# Altium PCB RF.PcbDoc (part 1 of 5) (continued)
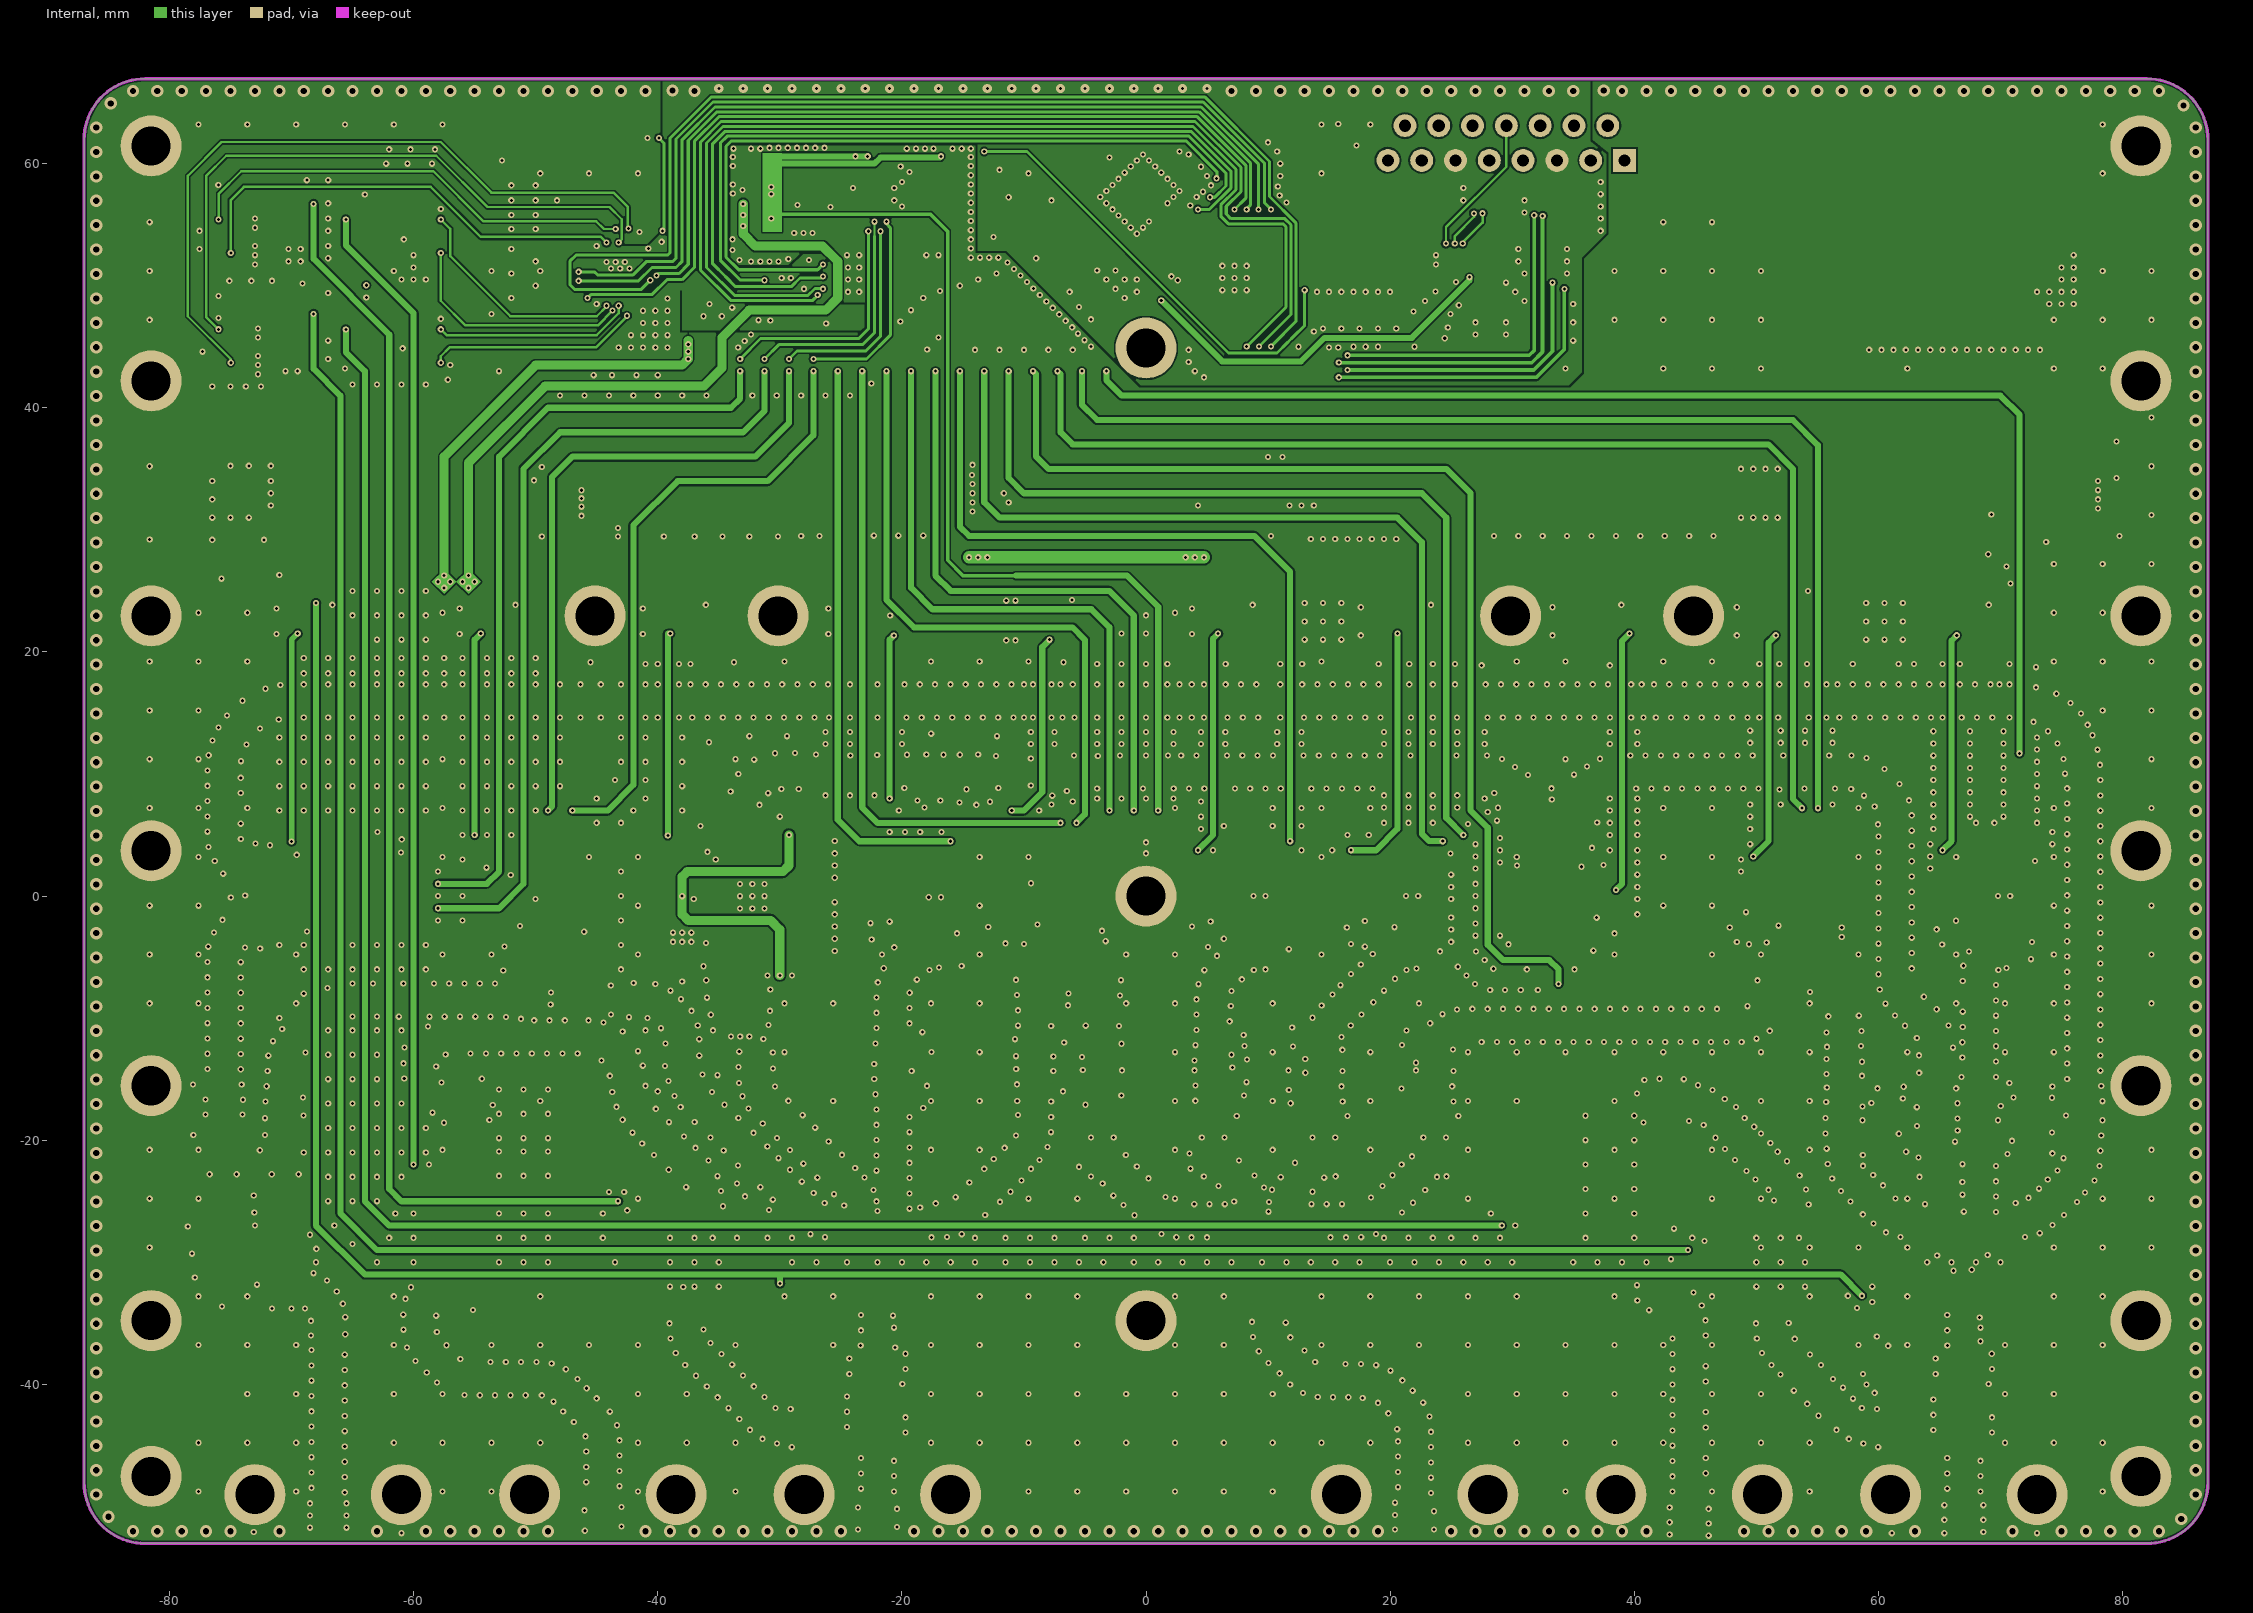
[diagram p3: Internal]
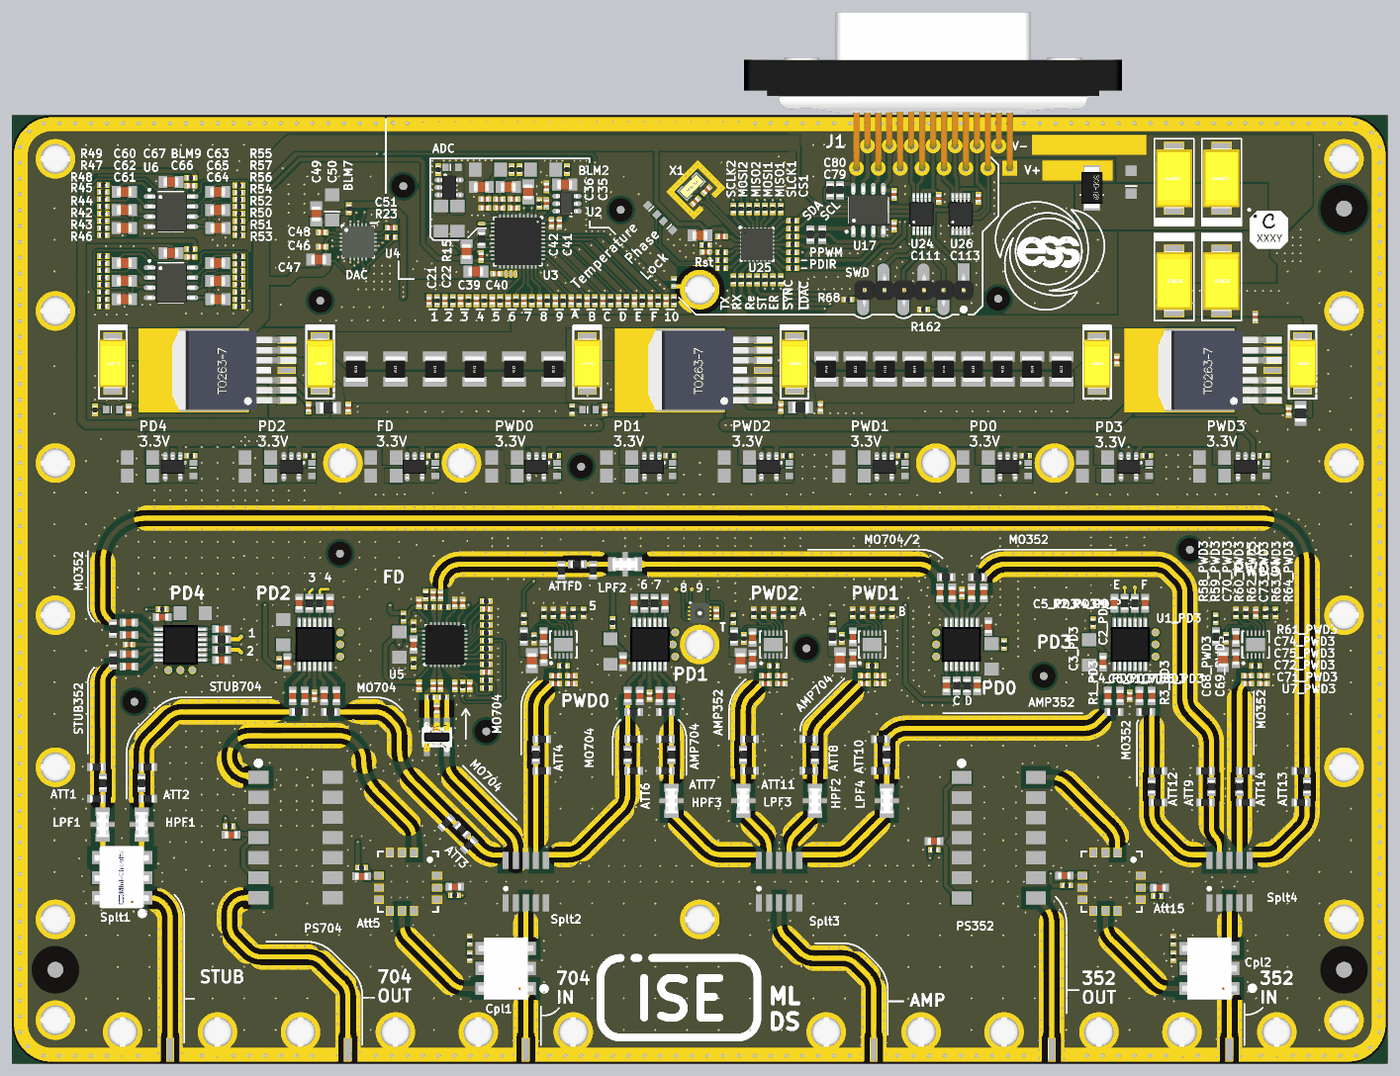
[diagram p8: 3D render of the assembled board from above, using the file's embedded part models]

## Layer stack, top to bottom
Top Solder: solder mask 0.0254, SM-001, Dk 1
Top: signal copper 0.035
PrepregTop1: prepreg 0.178, PR2116, Dk 4.51
PrepregTop2: prepreg 0.178, PR2116, Dk 4.51
REF1: plane copper 0.035, net DGND
Core: core 0.36, FR4-Improved, Dk 4.3
Internal: signal copper 0.035
PrepregBottom1: prepreg 0.178, PR2116, Dk 4.51
PrepregBottom2: prepreg 0.178, PR2116, Dk 4.51
REF2: signal copper 0.035
Bottom Solder: solder mask 0.0254, SM-001, Dk 4

## Board outline
-82,-53.04 cw(c-82,-48.04) -87,-48.04 -86.996,-48.036 -86.996,61.96 -87,61.96 cw(c-82,61.96) -82,66.96 82,66.96 cw(c82,61.96) 87,61.96 87,-48.04 cw(c82,-48.04) 82,-53.04

## Design rules (kind name [scope] priority, off if disabled: settings)
BoardOutlineClearance [All] p1: gap=0.25 ignorepadtopadclearanceinfootprint=FALSE except(0: Arc-SplitContinuation Track-SplitContinuation SMDPad-SplitContinuation THPad-SplitContinuation Via-SplitContinuation Fill-SplitContinuation Poly-SplitContinuation Region-SplitContinuation Text-SplitContinuation)
Clearance "Clearance RF TRACK" [InNetClass('RF')   And ( IsArc  Or IsTrack or IsRegion or IsFill ) vs InPolygon] p1: gap=0.7 ignorepadtopadclearanceinfootprint=FALSE
Clearance "Clearance RF PAD" [InNetClass('RF')   And (IsPad ) vs InPolygon] p2: gap=0.625 ignorepadtopadclearanceinfootprint=FALSE
Clearance "Clearance RF POLY" [InNamedPolygon('TOP-REF') vs OnLayer('Top')] p3 off: gap=0.3 ignorepadtopadclearanceinfootprint=FALSE
Clearance "Clearance TOP" [OnLayer('Top') vs OnLayer('Top')] p4: gap=0.1 ignorepadtopadclearanceinfootprint=FALSE except(0: Arc-Hole Track-Hole SMDPad-Hole THPad-Hole Via-Hole Fill-Hole Poly-Hole Region-Hole Text-Hole; 0.2: Arc-Poly Track-Poly SMDPad-Poly THPad-Poly Via-Poly Fill-Poly Poly-Poly)
Clearance "Clearance REF1" [OnLayer('REF1') vs OnLayer('REF1')] p5: gap=0.3 ignorepadtopadclearanceinfootprint=FALSE
Clearance "Clearance INT" [OnLayer('Internal') vs OnLayer('Internal')] p6: gap=0.15 ignorepadtopadclearanceinfootprint=FALSE
Clearance "Clearance INT_1" [OnLayer('Internal')] p7: gap=0.15 ignorepadtopadclearanceinfootprint=FALSE
Clearance "Clearance REF2" [OnLayer('REF2')] p8: gap=0.5 ignorepadtopadclearanceinfootprint=FALSE
Clearance [All] p9: gap=0.1 ignorepadtopadclearanceinfootprint=FALSE
ComponentClearance [All] p1: gap=0.25 collisioncheckmode=3 verticalgap=0.25 showdistances=FALSE
DiffPairsRouting [All] p1: maxlimit=0.25 minlimit=0.25 mostfreqgap=0.25 toplayer_minwidth=0.381 toplayer_maxwidth=0.381 toplayer_prefwidth=0.381 midlayer2_minwidth=0.381 midlayer2_maxwidth=0.381 midlayer2_prefwidth=0.381 bottomlayer_minwidth=0.381 bottomlayer_maxwidth=0.381 bottomlayer_prefwidth=0.381 maxuncoupledlength=12.5
Height [All] p1: minheight=0 maxheight=25 prefheight=12.5
HoleSize HoleSize-PTH [All] p1: absolutevalues=TRUE maxlimit=5 minlimit=0.15 maxpercent=80.000 minpercent=20.000
HoleToHoleClearance [All] p1: gap=0.35 allowstackedmicrovias=TRUE
MinimumAnnularRing "Minimum IAR  <= 0.45mm" [((ObjectKind = 'Pad') OR (ObjectKind = 'Via')) And (Layer = 'MultiLayer') And (HoleDiameter <= AsMM(0.45))] p1: minimumring=0.125 // minimum inner annular ring for pads <= 0.45mm finished hole size
MinimumAnnularRing "Minimum IAR  > 0.45mm" [((ObjectKind = 'Pad') OR (ObjectKind = 'Via')) And (Layer = 'MultiLayer') And (HoleDiameter > AsMM(0.45))] p2: minimumring=0.125 // minimum inner annular ring for pads > 0.45mm finished hole size
MinimumAnnularRing Minimum-IAR [All] p3: minimumring=0.125
MinimumSolderMaskSliver [All] p1: minsoldermaskwidth=0.08
PlaneClearance PlaneClearance-IPI [All] p1: clearance=0.25
PlaneConnect [All] p1: planeconnectstyle=Direct reliefexpansion=0.175 reliefentries=4 reliefconductorwidth=0.2 reliefairgap=0.2
PolygonConnect PolygonConnect-xTW [All] p1: connectstyle=Direct reliefconductorwidth=0.2 reliefentries=4 polygonreliefangle="90 Angle" airgapwidth=0.2
RoutingCorners [All] p1: cornerstyle=45-Degree minsetback=2.5 maxsetback=2.5
RoutingVias "RoutingVias <= 0.45mm" [(ObjectKind = 'Via') And (HoleDiameter <= AsMM(0.45))] p1: holewidth=0.2 width=0.55 viastyle="Through Hole" minholewidth=0.15 minwidth=0.5 maxholewidth=0.45 maxwidth=0.8
RoutingVias "RoutingVias > 0.45mm" [(ObjectKind = 'Via') And (HoleDiameter > AsMM(0.45))] p2: holewidth=0.5 width=0.85 viastyle="Through Hole" minholewidth=0.5 minwidth=0.85 maxholewidth=0.9 maxwidth=1.25
SilkToSilkClearance [All] p1: silktosilkclearance=0.2
SilkToSolderMaskClearance SilkscreenOverComponentPads [IsPad] p1: minsilkscreentomaskgap=0.005 clearancetoexposedcopper=TRUE
SolderMaskExpansion [All] p1: expansion=0
Width Width-xTW [All] p1: maxlimit=10 minlimit=0.1 preferedwidth=0.2
19 further rules are at their usual default settings.

## Classes and differential pairs
net class RF: AMP352_5 AMP704_5 MO352_1_5 MO352_2_5 MO352_3_5 MO704/2_5 MO704_5 NetAtt5_1 NetAtt5_8 NetAtt15_1 NetAtt15_8 NetC4_PD2_2 NetC4_PD4_2 NetC8_PD2_1 NetC8_PD2_2 NetC8_PD4_2 NetC71_PWD0_1 NetC71_PWD1_1 NetC71_PWD2_1 NetC71_PWD3_1 NetC118_1 NetC118_2 NetC119_1 NetC119_2 NetC121_1 NetC121_2 NetC125_2 NetCpl1_1 NetCpl1_3 NetCpl2_1 NetCpl2_3 NetHPF1_1 NetHPF1_3 NetHPF2_1 NetHPF2_3 NetHPF3_1 NetHPF3_3 NetLPF1_1 NetLPF1_3 NetLPF2_1 NetLPF3_1 NetLPF3_3 NetLPF4_1 NetLPF4_3 NetPS352_8 NetPS704_7 NetR120_2 NetR123_2 NetR126_2 NetR136_1 NetR139_1 NetR145_1 NetR150_2 NetSMA1_0 NetSMA4_0 NetSplt2_9 STUB352_5 STUB704_5
component class OffsetAmp704: BLM9_OffsetAmp704 C60_OffsetAmp704 C61_OffsetAmp704 C62_OffsetAmp704 C63_OffsetAmp704 C64_OffsetAmp704 C65_OffsetAmp704 C66_OffsetAmp704 C67_OffsetAmp704 R42_OffsetAmp704 R43_OffsetAmp704 R44_OffsetAmp704 R45_OffsetAmp704 R46_OffsetAmp704 R47_OffsetAmp704 R48_OffsetAmp704 R49_OffsetAmp704 R50_OffsetAmp704 R51_OffsetAmp704 R52_OffsetAmp704 R53_OffsetAmp704 R54_OffsetAmp704 R55_OffsetAmp704 R56_OffsetAmp704 R57_OffsetAmp704 U6_OffsetAmp704
component class OffsetAmp352: BLM9_OffsetAmp352 C60_OffsetAmp352 C61_OffsetAmp352 C62_OffsetAmp352 C63_OffsetAmp352 C64_OffsetAmp352 C65_OffsetAmp352 C66_OffsetAmp352 C67_OffsetAmp352 R42_OffsetAmp352 R43_OffsetAmp352 R44_OffsetAmp352 R45_OffsetAmp352 R46_OffsetAmp352 R47_OffsetAmp352 R48_OffsetAmp352 R49_OffsetAmp352 R50_OffsetAmp352 R51_OffsetAmp352 R52_OffsetAmp352 R53_OffsetAmp352 R54_OffsetAmp352 R55_OffsetAmp352 R56_OffsetAmp352 R57_OffsetAmp352 U6_OffsetAmp352
component class A3.3V_PhD5: C81_A3.3V_PhD5 C82_A3.3V_PhD5 LED1_A3.3V_PhD5 R70_A3.3V_PhD5 U18_A3.3V_PhD5
component class A3.3V_PhD4: C81_A3.3V_PhD4 C82_A3.3V_PhD4 LED1_A3.3V_PhD4 R70_A3.3V_PhD4 U18_A3.3V_PhD4
component class A3.3V_PhD3: C81_A3.3V_PhD3 C82_A3.3V_PhD3 LED1_A3.3V_PhD3 R70_A3.3V_PhD3 U18_A3.3V_PhD3
component class A3.3V_PhD2: C81_A3.3V_PhD2 C82_A3.3V_PhD2 LED1_A3.3V_PhD2 R70_A3.3V_PhD2 U18_A3.3V_PhD2
component class A3.3V_PhD1: C81_A3.3V_PhD1 C82_A3.3V_PhD1 LED1_A3.3V_PhD1 R70_A3.3V_PhD1 U18_A3.3V_PhD1
component class A3.3V_PD4: C81_A3.3V_PD4 C82_A3.3V_PD4 LED1_A3.3V_PD4 R70_A3.3V_PD4 U18_A3.3V_PD4
component class A3.3V_PD3: C81_A3.3V_PD3 C82_A3.3V_PD3 LED1_A3.3V_PD3 R70_A3.3V_PD3 U18_A3.3V_PD3
component class A3.3V_PD2: C81_A3.3V_PD2 C82_A3.3V_PD2 LED1_A3.3V_PD2 R70_A3.3V_PD2 U18_A3.3V_PD2
component class A3.3V_PD1: C81_A3.3V_PD1 C82_A3.3V_PD1 LED1_A3.3V_PD1 R70_A3.3V_PD1 U18_A3.3V_PD1
component class A3.3V_FD: C81_A3.3V_FD C82_A3.3V_FD LED1_A3.3V_FD R70_A3.3V_FD U18_A3.3V_FD
component class A3.3V_ADC: C81_A3.3V_ADC C82_A3.3V_ADC LED1_A3.3V_ADC R70_A3.3V_ADC U18_A3.3V_ADC
component class MCU: C107 C108 C109 C110 C111 C112 C113 LED4 LED5 R83 R84 R85 R86 R87 R88 R89 R90 R91 R92 R93 R94 R95 R96 R97 R98 R99 R100 R101 R102 R103 R104 R105 R106 R107 U24 U25 U26 X1
channel class LDO3v3: A3v3_ADC A3v3_ADC1 A3v3_ADC3 A3v3_ADC4 A3v3_ADC5 A3v3_ADC6 A3v3_ADC7 A3v3_ADC8 A3v3_ADC9 A3v3_ADC10 A3v3_ADC11 A3v3_ADC12
component class Power: C57 C83 C84 C87 C88 C89 C90 C91 C92 C93 C94 C95 C96 C97 C98 C103 C104 C105 C106 D1 D2 L1 LED2 LED3 R28 R29 R71 R72 R73 R74 R75 R76 R77 R78 R79 R80 R81 R82 R157 R158 R159 R160 R161 R163 U20 U21 U23
component class Isolator: C79 C80 R66 R67 R108 R109 U17
channel class PowerDetector: PWD0 PWD1 PWD2 PWD3
component class PWD3: BLM10_PWD3 C68_PWD3 C69_PWD3 C70_PWD3 C71_PWD3 C72_PWD3 C73_PWD3 C74_PWD3 C75_PWD3 R58_PWD3 R59_PWD3 R60_PWD3 R61_PWD3 R62_PWD3 R63_PWD3 R64_PWD3 U7_PWD3
component class PWD2: BLM10_PWD2 C68_PWD2 C69_PWD2 C70_PWD2 C71_PWD2 C72_PWD2 C73_PWD2 C74_PWD2 C75_PWD2 R58_PWD2 R59_PWD2 R60_PWD2 R61_PWD2 R62_PWD2 R63_PWD2 R64_PWD2 U7_PWD2
component class PWD1: BLM10_PWD1 C68_PWD1 C69_PWD1 C70_PWD1 C71_PWD1 C72_PWD1 C73_PWD1 C74_PWD1 C75_PWD1 R58_PWD1 R59_PWD1 R60_PWD1 R61_PWD1 R62_PWD1 R63_PWD1 R64_PWD1 U7_PWD1
channel class PhaseDetector: PD0 PD1 PD2 PD3 PD4
channel class OffsetAmplifier: "Offset Amplifiers1" "Offset Amplifiers2"
component class RF: Att5 Att9 Att15 BLM11 BLM12 BLM13 BLM14 BLM15 BLM16 C C76 C77 C78 C114 C115 C116 C117 Cpl1 Cpl2 HPF1 HPF2 HPF3 J1 J2 LPF1 LPF2 LPF3 LPF4 PS1 PS2 PS352 PS704 R65 R68 R69 R110 R114 R115 R116 R117 R118 R119 R120 R121 R122 R123 R124 R125 R126 R127 R128 R129 R130 R131 R132 R133 R134 R135 R136 R137 R138 R139 R140 R141 R142 R143 R144 R145 R146 R147 R148 R149 R150 R151 R152 R154 R155 R162 Screw1 Screw2 Screw3 Screw4 Screw5 Screw6 Screw7 Screw8 Screw9 Screw10 Screw11 Screw12 Screw13 Screw14 Screw15 Screw16 Screw17 Screw18 Screw19 Screw20 Screw21 Screw22 Screw23 Screw24 Screw25 Screw26 Screw27 Screw28 Screw29 Screw30 Screw31 Screw32 ScrewDGND SMA1 SMA2 SMA3 SMA4 SMA5 SMA6 Splt1 Splt2 Splt3 Splt4 U9 U11 U12 U13 U14 U15 U16 U27 U28
component class PWD0: BLM10_PWD0 C68_PWD0 C69_PWD0 C70_PWD0 C71_PWD0 C72_PWD0 C73_PWD0 C74_PWD0 C75_PWD0 R58_PWD0 R59_PWD0 R60_PWD0 R61_PWD0 R62_PWD0 R63_PWD0 R64_PWD0 U7_PWD0
component class PD4: BLM1_PD4 C1_PD4 C2_PD4 C3_PD4 C4_PD4 C5_PD4 C6_PD4 C7_PD4 C8_PD4 C9_PD4 R1_PD4 R2_PD4 R3_PD4 R4_PD4 U1_PD4 U2_PD4
component class PD3: BLM1_PD3 C1_PD3 C2_PD3 C3_PD3 C4_PD3 C5_PD3 C6_PD3 C7_PD3 C8_PD3 C9_PD3 R1_PD3 R2_PD3 R3_PD3 R4_PD3 U1_PD3 U2_PD3
component class PD2: BLM1_PD2 C1_PD2 C2_PD2 C3_PD2 C4_PD2 C5_PD2 C6_PD2 C7_PD2 C8_PD2 C9_PD2 R1_PD2 R2_PD2 R3_PD2 R4_PD2 U1_PD2 U2_PD2
component class PD1: BLM1_PD1 C1_PD1 C2_PD1 C3_PD1 C4_PD1 C5_PD1 C6_PD1 C7_PD1 C8_PD1 C9_PD1 R1_PD1 R2_PD1 R3_PD1 R4_PD1 U1_PD1 U2_PD1
component class PD0: BLM1_PD0 C1_PD0 C2_PD0 C3_PD0 C4_PD0 C5_PD0 C6_PD0 C7_PD0 C8_PD0 C9_PD0 R1_PD0 R2_PD0 R3_PD0 R4_PD0 U1_PD0 U2_PD0
component class "Frequency Divider": BLM8 C52 C53 C54 C55 C56 C58 C59 C118 C119 C120 C121 C122 C123 C124 C125 R24 R25 R26 R27 R30 R31 R32 R33 R34 R35 R36 R37 R38 R39 R40 R41 R111 R112 R113 R153 R156 T1 U5
component class DAC: BLM7 C46 C47 C48 C49 C50 C51 R23 U4
component class ADC: BLM2 BLM3 BLM4 C10 C11 C12 C13 C14 C15 C16 C17 C18 C19 C20 C21 C22 C23 C24 C25 C26 C27 C28 C29 C30 C31 C32 C33 C34 C35 C36 C37 C38 C39 C40 C41 C42 C43 C44 C45 R5 R6 R7 R8 R9 R10 R11 R12 R13 R14 R15 R16 R17 R18 R19 R20 R21 R22 U2 U3

## Components (designator, comment, footprint, x,y, rotation, side; value= is the part's Value field where it differs from the comment)
Att5 "SVA-2000+" FZ990 -36.913,-30.015 r180 top
Att15 "SVA-2000+" FZ990 52.087,-30.015 r180 top
BLM1_PD0 "1 kOhms @ 100MHz" 0402-Inductor 38.5,0 r270 top (schematic designator BLM1)
BLM1_PD1 "1 kOhms @ 100MHz" 0402-Inductor -11,2.775 r270 top (schematic designator BLM1)
BLM1_PD2 "1 kOhms @ 100MHz" 0402-Inductor -53.185,-2.3 r90 top (schematic designator BLM1)
BLM1_PD3 "1 kOhms @ 100MHz" 0402-Inductor 49.75,2.75 r270 top (schematic designator BLM1)
BLM1_PD4 "1 kOhms @ 100MHz" 0402-Inductor -68,4.46 r0 top (schematic designator BLM1)
BLM2 "120 Ohms @ 100MHz" 0402-Inductor -16.8,60.1 r270 top
BLM3 "120 Ohms @ 100MHz" 0402-Inductor -22.8,60.1 r270 top
BLM4 "120 Ohms @ 100MHz" 0402-Inductor -23.8,60.1 r270 top
BLM7 "120 Ohms @ 100MHz" 0402-Inductor -44.4,55.15 r270 top
BLM8 "120 Ohms @ 100MHz" 0402-Inductor -37.5,3.46 r90 top
BLM9_OffsetAmp352 "120 Ohms @ 100MHz" 0402-Inductor -64.375,50.04 r0 top (schematic designator BLM9)
BLM9_OffsetAmp704 "120 Ohms @ 100MHz" 0402-Inductor -64.375,59.04 r0 top (schematic designator BLM9)
BLM10_PWD0 "120 Ohms @ 100MHz" 0402-Inductor -22.25,3.25 r90 top (schematic designator BLM10)
BLM10_PWD1 "120 Ohms @ 100MHz" 0402-Inductor 16.8,3.255 r90 top (schematic designator BLM10)
BLM10_PWD2 "120 Ohms @ 100MHz" 0402-Inductor 4.25,3.25 r90 top (schematic designator BLM10)
BLM10_PWD3 "120 Ohms @ 100MHz" 0402-Inductor 65.25,3.25 r90 top (schematic designator BLM10)
BLM11 "120 Ohms @ 100MHz" 0402-Inductor -42.772,-28.253 r0 top
BLM12 "120 Ohms @ 100MHz" 0402-Inductor -31,-31.75 r0 top
BLM13 "120 Ohms @ 100MHz" 0402-Inductor -59.5,-23 r0 top
BLM14 "120 Ohms @ 100MHz" 0402-Inductor 46.4,-30.5 r180 top
BLM15 "120 Ohms @ 100MHz" 0402-Inductor 57.875,-31.825 r0 top
BLM16 "120 Ohms @ 100MHz" 0402-Inductor 29.65,-26 r180 top
C1_PD0 "100n" 0402-Capacitor 33.15,6.525 r270 top (schematic designator C1)
C1_PD1 "100n" 0402-Capacitor -6.35,-6.525 r90 top (schematic designator C1)
C1_PD2 "100n" 0402-Capacitor -48.725,-6.525 r90 top (schematic designator C1)
C1_PD3 "100n" 0402-Capacitor 54.4,-6.525 r90 top (schematic designator C1)
C1_PD4 "100n" 0402-Capacitor -72.225,0 r0 top (schematic designator C1)
C2_PD0 "1uF" 0603-Capacitor#1 36.5,2.25 r270 top (schematic designator C2)
C2_PD1 "1uF" 0603-Capacitor#1 -9.7,-2.175 r90 top (schematic designator C2)
C2_PD2 "1uF" 0603-Capacitor#1 -52.185,-2.3 r90 top (schematic designator C2)
C2_PD3 "1uF" 0603-Capacitor#1 51,-2.225 r90 top (schematic designator C2)
C2_PD4 "1uF" 0603-Capacitor#1 -68,3.46 r0 top (schematic designator C2)
C3_PD0 "10uF" 1206-capacitor 36.9,-1.5 r90 top (schematic designator C3)
C3_PD1 "10uF" 1206-capacitor -11.3,-0.9 r90 top (schematic designator C3)
C3_PD2 "10uF" 1206-capacitor -52.685,1.55 r270 top (schematic designator C3)
C3_PD3 "10uF" 1206-capacitor 49.25,-1 r90 top (schematic designator C3)
C3_PD4 "10uF" 1206-capacitor -64.15,3.96 r180 top (schematic designator C3)
C4_PD0 "1nF" 0603-Capacitor#1 35.925,6.525 r270 top (schematic designator C4)
C4_PD1 "1nF" 0603-Capacitor#2 -9.125,-6.525 r90 top (schematic designator C4)
C4_PD2 "1nF" 0603-Capacitor#1 -51.5,-6.525 r90 top (schematic designator C4)
C4_PD3 "1nF" 0603-Capacitor#1 51.625,-6.525 r90 top (schematic designator C4)
C4_PD4 "1nF" 0603-Capacitor#1 -72.225,2.775 r0 top (schematic designator C4)
C5_PD0 "1nF" 0603-Capacitor#1 35.1,-5.225 r270 top (schematic designator C5)
C5_PD1 "1nF" 0603-Capacitor#1 -8.3,5.225 r90 top (schematic designator C5)
C5_PD2 "1nF" 0603-Capacitor#1 -50.675,5.225 r90 top (schematic designator C5)
C5_PD3 "1nF" 0603-Capacitor#1 52.45,5.225 r90 top (schematic designator C5)
C5_PD4 "1nF" 0603-Capacitor#1 -60.475,1.95 r0 top (schematic designator C5)
C6_PD0 "1nF" 0603-Capacitor#1 34.375,6.525 r270 top (schematic designator C6)
C6_PD1 "1nF" 0603-Capacitor#1 -7.575,-6.525 r90 top (schematic designator C6)
C6_PD2 "1nF" 0603-Capacitor#1 -49.95,-6.525 r90 top (schematic designator C6)
C6_PD3 "1nF" 0603-Capacitor#1 53.175,-6.525 r90 top (schematic designator C6)
C6_PD4 "1nF" 0603-Capacitor#1 -72.225,1.225 r0 top (schematic designator C6)
C7_PD0 "1nF" 0603-Capacitor#1 31.925,6.525 r270 top (schematic designator C7)
C7_PD1 "1nF" 0603-Capacitor#1 -5.125,-6.525 r90 top (schematic designator C7)
C7_PD2 "1nF" 0603-Capacitor#1 -47.5,-6.525 r90 top (schematic designator C7)
C7_PD3 "1nF" 0603-Capacitor#1 55.625,-6.525 r90 top (schematic designator C7)
C7_PD4 "1nF" 0603-Capacitor#1 -72.225,-1.225 r0 top (schematic designator C7)
C8_PD0 "1nF" 0603-Capacitor#1 30.375,6.525 r270 top (schematic designator C8)
C8_PD1 "1nF" 0603-Capacitor#1 -3.575,-6.525 r90 top (schematic designator C8)
C8_PD2 "1nF" 0603-Capacitor#1 -45.95,-6.525 r90 top (schematic designator C8)
C8_PD3 "1nF" 0603-Capacitor#1 57.175,-6.525 r90 top (schematic designator C8)
C8_PD4 "1nF" 0603-Capacitor#1 -72.225,-2.775 r0 top (schematic designator C8)
C9_PD0 "1nF" 0603-Capacitor#1 31.2,-5.225 r270 top (schematic designator C9)
C9_PD1 "1nF" 0603-Capacitor#1 -4.4,5.225 r90 top (schematic designator C9)
C9_PD2 "1nF" 0603-Capacitor#1 -46.775,5.225 r90 top (schematic designator C9)
C9_PD3 "1nF" 0603-Capacitor#1 56.35,5.225 r90 top (schematic designator C9)
C9_PD4 "1nF" 0603-Capacitor#1 -60.475,-1.95 r0 top (schematic designator C9)
C10 "10n" 0402-Capacitor -25.35,56.35 r0 top net-tie
C11 "100n" 0402-Capacitor -25.35,55.25 r0 top net-tie
C12 "1uF" 0805-Capacitor -24.225,57.9 r0 top
C13 "10uF" 1206-capacitor -19.8,60.1 r0 top
C14 "470n" 0402-Capacitor -28.25,43.5 r270 top
C15 "470n" 0402-Capacitor -30.25,43.5 r270 top
C16 "10n" 0402-Capacitor -27.2,55.25 r0 top net-tie
C17 "100n" 0402-Capacitor -27.2,56.35 r0 top net-tie
C18 "1uF" 0805-Capacitor -27.625,57.9 r180 top
C19 "10uF" 1206-capacitor -26.8,60.1 r180 top
C20 "470n" 0402-Capacitor -32.25,43.5 r270 top
C21 "1uF" 0805-Capacitor -29.5,49.725 r90 top
C22 "100n" 0402-Capacitor -27.65,49.1 r270 top net-tie
C23 "470n" 0402-Capacitor -34.25,43.5 r270 top
C24 "470n" 0402-Capacitor -26.25,43.5 r270 top
C25 "470n" 0402-Capacitor -24.25,43.5 r270 top
C26 "470n" 0402-Capacitor -22.25,43.5 r270 top
C27 "470n" 0402-Capacitor -20.25,43.5 r270 top
C28 "470n" 0402-Capacitor -18.25,43.5 r270 top
C29 "470n" 0402-Capacitor -16.25,43.5 r270 top
C30 "470n" 0402-Capacitor -14.25,43.5 r270 top
C31 "470n" 0402-Capacitor -12.25,43.5 r270 top
C32 "470n" 0402-Capacitor -10.25,43.5 r270 top
C33 "470n" 0402-Capacitor -8.25,43.5 r270 top
C34 "470n" 0402-Capacitor -6.25,43.5 r270 top
C35 "1uF" 0805-Capacitor -17.075,58.2 r0 top
C36 "100n" 0402-Capacitor -19.4,57.9 r270 top net-tie
C37 "470n" 0402-Capacitor -4.25,43.5 r270 top
C38 "DNP" 0402-Capacitor -19.4,55.8 r90 top net-tie value=470n
C39 "1uF" 0805-Capacitor -28.325,47.2 r180 top
C40 "100n" 0402-Capacitor -25.7,46.9 r0 top net-tie
C41 "470n" 0402-Capacitor -17.75,53.3 r90 top net-tie
C42 "100n" 0402-Capacitor -18.75,53.3 r90 top net-tie
C43 "100n" 0402-Capacitor -23.5,55.25 r0 top net-tie
C44 "1uF" 0805-Capacitor -21.7,57.275 r90 top
C45 "100n" 0402-Capacitor -23.5,56.35 r0 top net-tie
C46 "100n" 0402-Capacitor -47.75,50.335 r0 top net-tie
C47 "1uF" 0805-Capacitor -48.2,48.71 r180 top
C48 "100n" 0402-Capacitor -47.75,52.15 r0 top net-tie
C49 "1uF" 0805-Capacitor -48.5,54.5 r90 top
C50 "10uF" 1206-cap_tant -46.5,55.3 r90 top
C51 "100n" 0402-Capacitor -39.05,52.735 r0 top net-tie
C52 "10uF" 1206-capacitor -38,-0.012 r270 top
C53 "1uF" 0603-Capacitor#1 -36.2,-0.012 r270 top
C54 "100n" 0402-Capacitor -35.508,5.25 r90 top
C55 "100n" 0402-Capacitor -31,5.25 r90 top
C56 "100n" 0402-Capacitor -30,5.25 r90 top
C57 "100n" 0402-Capacitor -49.5,29.95 r90 top net-tie
C58 "100n" 0402-Capacitor -35.508,-5.25 r270 top
C59 "100n" 0402-Capacitor -31,-5.25 r270 top
C60_OffsetAmp352 "2.2uF" 0805-Capacitor -72.775,48.29 r180 top (schematic designator C60)
C60_OffsetAmp704 "2.2uF" 0805-Capacitor -72.775,57.29 r180 top (schematic designator C60)
C61_OffsetAmp352 "2.2uF" 0805-Capacitor -72.775,43.69 r180 top (schematic designator C61)
C61_OffsetAmp704 "2.2uF" 0805-Capacitor -72.775,52.69 r180 top (schematic designator C61)
C62_OffsetAmp352 "2.2uF" 0805-Capacitor -72.775,45.992 r180 top (schematic designator C62)
C62_OffsetAmp704 "2.2uF" 0805-Capacitor -72.775,54.992 r180 top (schematic designator C62)
C63_OffsetAmp352 "2.2uF" 0805-Capacitor -60.975,48.29 r180 top (schematic designator C63)